# Altium PCB radxa_cm4_io_v1.10.PcbDoc (part 8 of 8)
Units mil, origin at the board's own origin, x right, y up, seen from the top; angles counter-clockwise.
Board outline 6299.62 x 3544.12 mil, 4 copper layers (Top, GND, Power, Bottom), stack 35.4 mil thick; 509 components, 417 nets, 1867 pads, 2150 vias.
Unrouted connection lines stored in the file: 1451.
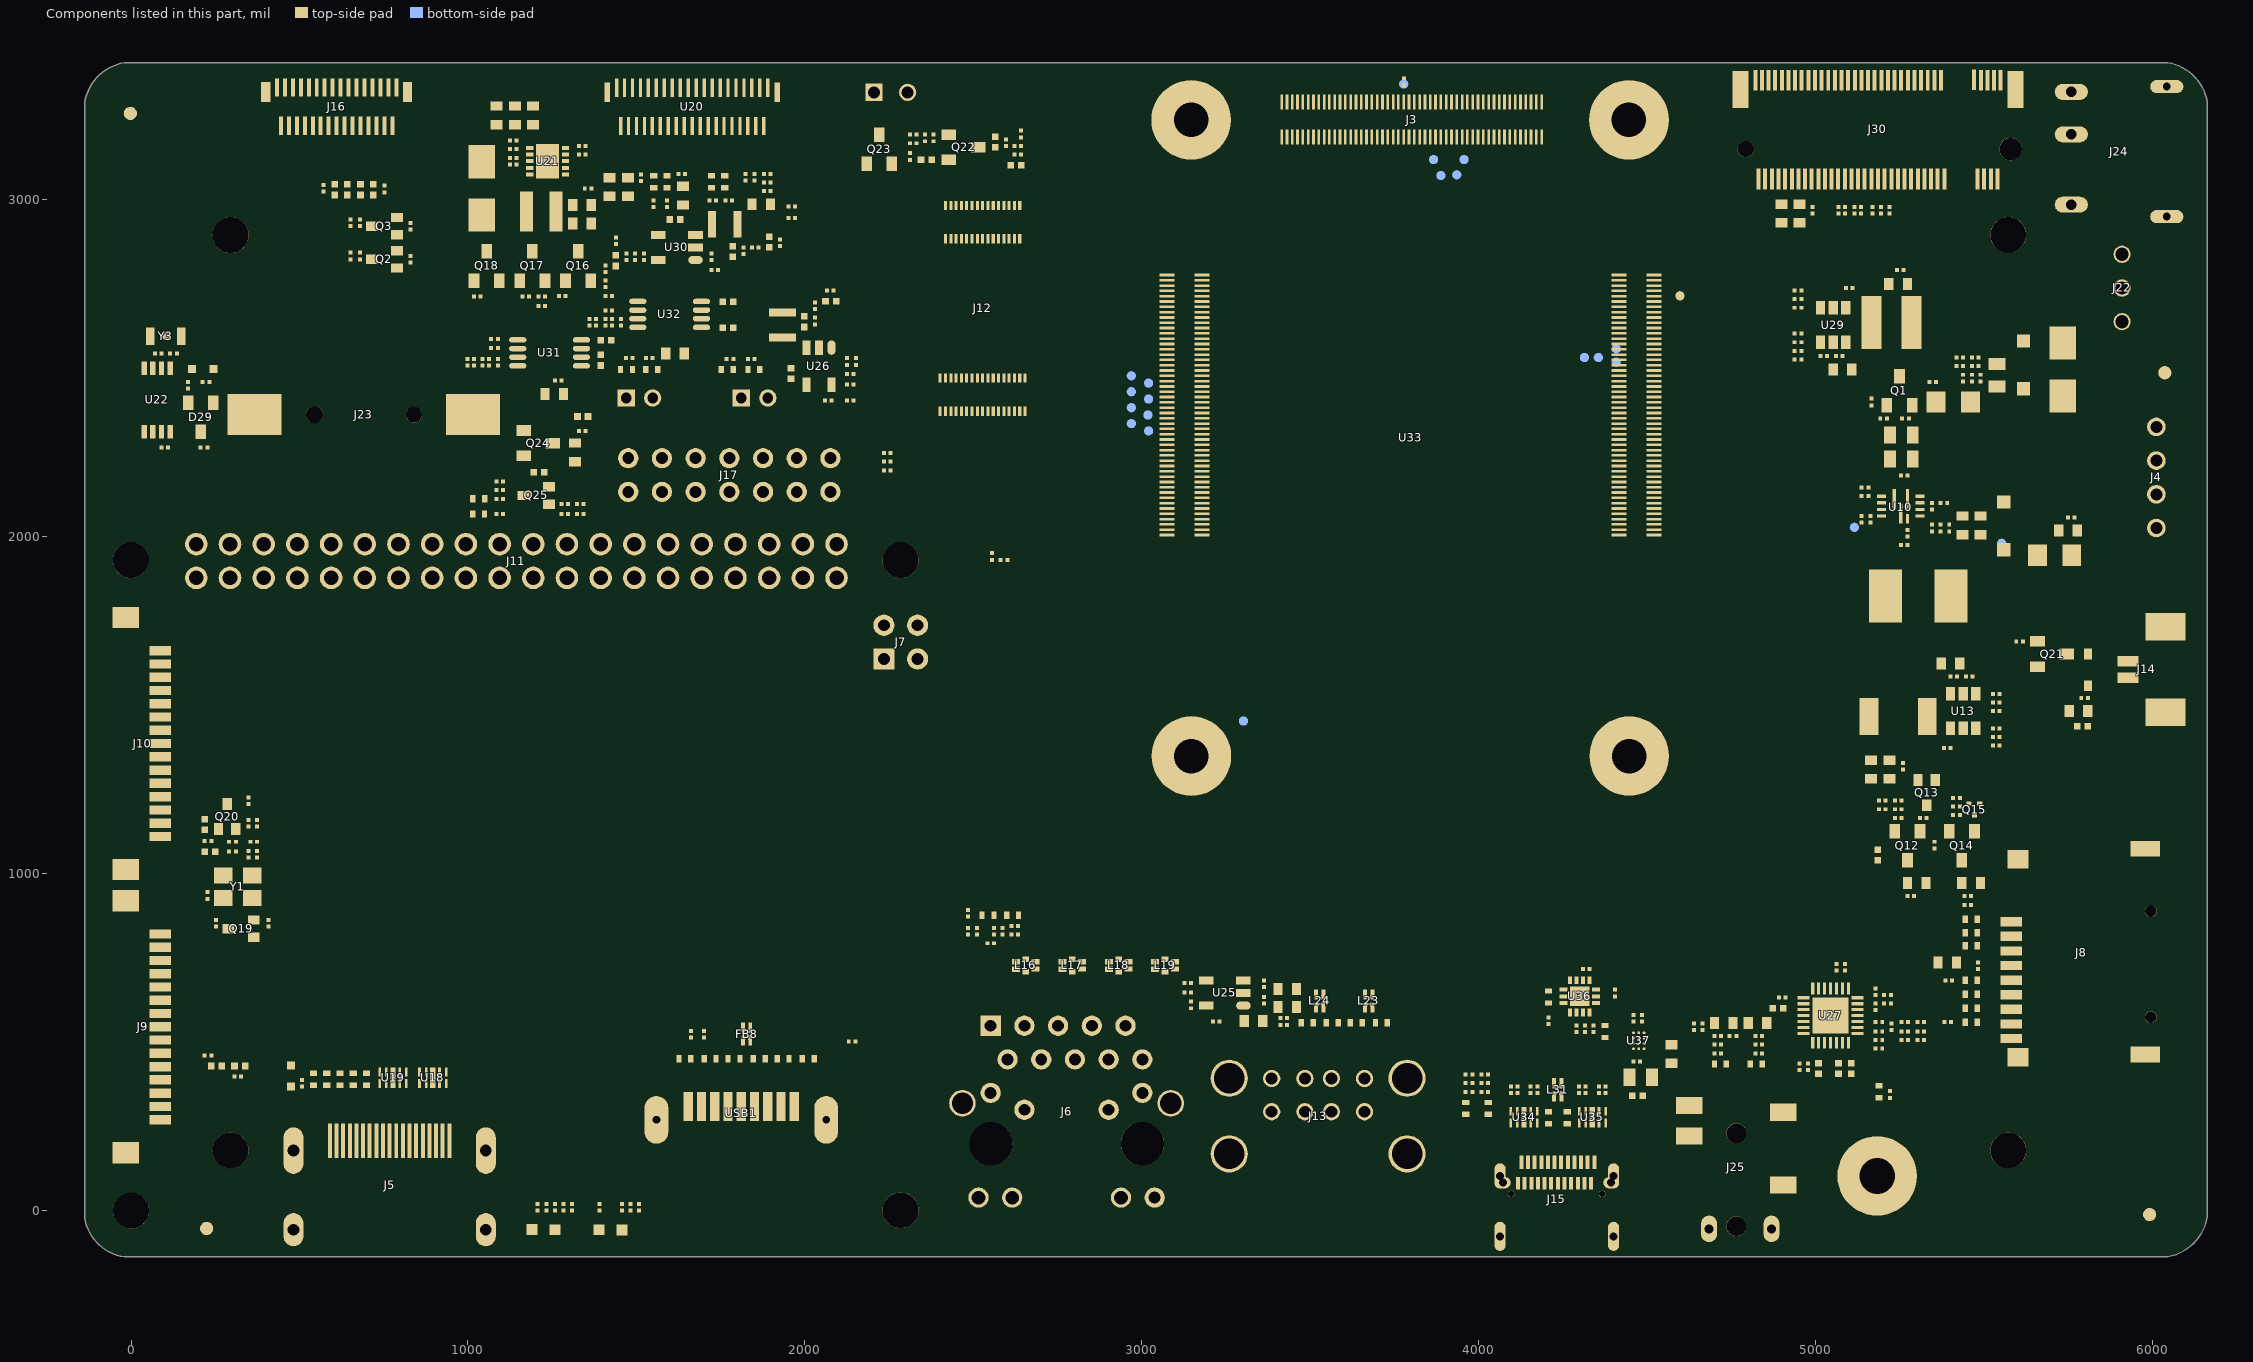
[diagram p10: the components of this part, seen from the top]

## Other copper
Top:
  region net VCC5V: 5732.28,1911.42 6039.37,1911.42 6039.37,2064.96 5761.81,2064.96 5761.81,2007.87 5732.28,1978.35 5732.28,1911.42
  region net +5V_INPUT: 4547.24,2685.04 4547.24,2600.39 4665.35,2600.39 4665.35,2685.04 4547.24,2685.04
  region net 5V_USB_HOST: 3417.32,586.61 3417.32,677.17 3379.92,677.17 3379.92,586.61 3417.32,586.61
  region net N37314100: 2039.37,2643.7 2039.37,2681.1 1889.76,2681.1 1889.76,2643.7 2039.37,2643.7
  region net VCC_UFS1V2_S0_P: 1848.43,2852.36 1848.43,2883.86 1816.93,2883.86 1816.93,2966.54 1775.59,2966.54 1775.59,2852.36 1848.43,2852.36
  region net +5V_INPUT: 1421.26,2948.82 1350.39,2948.82 1350.39,2909.45 1395.67,2909.45 1421.26,2935.04 1421.26,2948.82
  region net VCC12V: 6039.37,2354.33 5391.73,2354.33 5385.83,2360.24 5385.83,2431.1 5269.68,2431.1 5269.68,2269.69 6039.37,2269.69 6039.37,2354.33
  region net +5V_INPUT: 5685.04,1891.73 5685.04,2021.65 5338.58,2021.65 5338.58,1744.09 5456.69,1744.09 5456.69,1879.92 5468.5,1891.73 5685.04,1891.73
  region net N38162991: 5667.32,2712.6 5667.32,2525.59 5793.31,2525.59 5793.31,2712.6 5667.32,2712.6
  region net N19463943: 5074.8,2553.15 5194.88,2553.15 5196.85,2555.12 5196.85,2718.5 5127.95,2718.5 5127.95,2616.14 5114.17,2602.36 5074.8,2602.36 5074.8,2553.15
  region net +5V_INPUT: 1608.27,2950.79 1543.31,2950.79 1543.31,2883.86 1608.27,2883.86 1608.27,2950.79
  region net +5V_INPUT: 1124.02,2236.22 1124.02,2181.1 1204.72,2181.1 1204.72,2255.91 1143.7,2255.91 1124.02,2236.22
  region net VBUS_TYPEC0: 4413.39,411.42 4462.6,411.42 4462.6,466.54 4444.88,466.54 4444.88,515.75 4413.39,515.75 4413.39,411.42
  region net 5V_S0: 1230.32,2261.81 1334.65,2261.81 1334.65,2366.14 1230.32,2366.14 1230.32,2261.81
  region net N38162991: 5706.69,3372.05 5706.69,3273.62 5952.76,3273.62 5952.76,3372.05 5706.69,3372.05
  region net 5V_USB_HOST: 3417.32,562.99 3342.52,562.99 3342.52,263.78 3417.32,263.78 3417.32,562.99
  region net N19591855: 1001.97,2903.54 1192.91,2903.54 1192.91,3098.43 1169.29,3098.43 1131.89,3061.02 1131.89,3013.78 1124.02,3005.91 1001.97,3005.91 1001.97,2903.54
  region net 5V_USB_HOST: 3279.53,620.08 3279.53,588.58 3326.77,588.58 3342.52,572.83 3342.52,559.06 3417.32,559.06 3417.32,620.08 3279.53,620.08
  region net +5V_INPUT: 4312.99,570.87 4281.5,570.87 4263.78,553.15 4263.78,543.31 4320.87,543.31 4320.87,562.99 4312.99,570.87
  region net 5V_USB_HOST: 1679.13,352.36 1679.13,194.88 1706.69,194.88 1706.69,352.36 1679.13,352.36
  region net VBUS_TYPEC0: 4464.57,442.91 4413.39,442.91 4413.39,232.28 4464.57,232.28 4464.57,442.91
  region net N37314098: 1891.73,2602.36 1891.73,2578.74 1952.76,2578.74 1992.13,2539.37 2015.75,2539.37 2015.75,2582.68 1996.06,2602.36 1891.73,2602.36
  region net N38162882: 5413.39,1513.78 5413.39,1559.06 5322.83,1559.06 5301.18,1537.4 5301.18,1403.54 5364.17,1403.54 5364.17,1505.91 5372.05,1513.78 5413.39,1513.78
  region net +5V_INPUT: 1948.82,2480.32 1948.82,2419.29 2015.75,2419.29 2015.75,2480.32 1948.82,2480.32
  region net VCC3V3_SYS: 1080.71,1608.27 1080.71,1574.8 1120.08,1574.8 1120.08,1608.27 1080.71,1608.27
  region net +5V_INPUT: 4598.43,401.57 4645.67,401.57 4651.57,407.48 4651.57,515.75 4503.94,515.75 4503.94,476.38 4525.59,476.38 4535.43,466.54 4588.58,466.54 4598.43,456.69 4598.43,401.57
  region net N38163182: 5246.06,2098.43 5246.06,2059.06 5155.51,1968.5 5155.51,1744.09 5257.87,1744.09 5257.87,2098.43 5246.06,2098.43
  region net VCC12V: 5283.46,2082.68 5283.46,2127.95 5291.34,2135.83 5366.14,2135.83 5377.95,2147.64 5377.95,2350.39 5285.43,2350.39 5265.75,2330.71 5265.75,2082.68 5283.46,2082.68
  region net 3V3_PCIE: 5533.46,3108.27 5533.46,3015.75 5586.61,3015.75 5586.61,3108.27 5533.46,3108.27
  region net VCC3V3_SYS: 5362.2,1322.83 5362.2,1370.08 5196.85,1370.08 5187.01,1379.92 5187.01,1523.62 5122.05,1523.62 5122.05,1328.74 5127.95,1322.83 5362.2,1322.83
  region net 3V3_PCIE: 5037.4,3021.65 4820.87,3021.65 4820.87,2976.38 4824.8,2972.44 5037.4,2972.44 5037.4,3021.65
  region net VCC_UFS_S0: 2023.62,2688.98 2070.87,2688.98 2070.87,2736.22 2023.62,2736.22 2023.62,2688.98
  region net +5V_INPUT: 3137.8,606.3 3137.8,553.15 3216.54,553.15 3216.54,622.05 3179.13,622.05 3163.39,606.3 3137.8,606.3
  region net N37314178: 1651.57,2881.89 1734.25,2881.89 1738.19,2885.83 1738.19,2968.5 1700.79,2968.5 1700.79,2921.26 1688.98,2909.45 1651.57,2909.45 1651.57,2881.89
  region net +5V_INPUT: 4568.9,362.2 4476.38,362.2 4476.38,318.9 4568.9,318.9 4568.9,362.2
  region net VCC1V2_UFS_VCCQ_S0: 1856.3,2868.11 1856.3,2848.43 1952.76,2848.43 1952.76,2868.11 1856.3,2868.11
  region net LCD_3V3: 1194.88,2866.14 1194.88,2856.3 1185.04,2856.3 1185.04,2828.74 1228.35,2828.74 1246.06,2846.46 1246.06,2858.27 1238.19,2866.14 1194.88,2866.14
  region net 3V3_PCIE: 5253.94,2557.09 5326.77,2557.09 5326.77,2801.18 5253.94,2801.18 5253.94,2557.09
  region net VCC12V_DCIN: 5429.13,2466.54 5429.13,2368.11 5787.4,2368.11 5787.4,2466.54 5429.13,2466.54
  region net VCC3V3_SYS: 350.39,1649.61 350.39,1624.02 389.76,1624.02 389.76,1649.61 350.39,1649.61
  region net +5V_INPUT: 5037.4,2596.46 5037.4,2551.18 5027.56,2541.34 5027.56,2525.59 5021.65,2519.69 4978.35,2519.69 4978.35,2462.6 5064.96,2462.6 5064.96,2596.46 5037.4,2596.46
  region net N19591849: 1324.8,3029.53 1240.16,3029.53 1240.16,2903.54 1324.8,2903.54 1324.8,3029.53
  region net 5V_S0: 1216.54,2181.1 1285.43,2181.1 1285.43,2366.14 1216.54,2366.14 1216.54,2181.1
  region net N19591849: 1324.8,2996.06 1324.8,3003.94 1332.68,3011.81 1352.36,3011.81 1352.36,3076.77 1330.71,3098.43 1279.53,3098.43 1279.53,3088.58 1305.12,3088.58 1311.02,3082.68 1311.02,3057.09 1305.12,3051.18 1255.91,3051.18 1240.16,3035.43 1240.16,2996.06 1324.8,2996.06
  region net +5V_INPUT: 5450.79,1513.78 5450.79,1594.49 5458.66,1602.36 5545.28,1602.36 5545.28,1645.67 5413.39,1645.67 5413.39,1574.8 5423.23,1564.96 5423.23,1513.78 5450.79,1513.78
  region net VCC_LEDA2: 1409.45,3190.94 1458.66,3190.94 1458.66,3271.65 1448.82,3281.5 1448.82,3360.24 1435.04,3360.24 1435.04,3285.43 1409.45,3259.84 1409.45,3190.94
  region net VCC_LEDA2: 1001.97,3062.99 1080.71,3062.99 1080.71,3153.54 1106.3,3179.13 1106.3,3240.16 1070.87,3240.16 1001.97,3171.26 1001.97,3062.99
Power:
  region net TR1: 1562.99,1248.03 1562.99,1204.72 1598.43,1204.72 1598.43,1248.03 1562.99,1248.03
  region net TR0: 1673.23,1244.09 1643.7,1244.09 1643.7,1157.48 1673.23,1157.48 1673.23,1244.09
  region net TR0: 1647.64,1244.09 1620.08,1244.09 1620.08,1181.1 1647.64,1181.1 1647.64,1244.09
  region net N38162991: 5952.76,3279.53 5952.76,3354.33 5704.72,3354.33 5704.72,3279.53 5952.76,3279.53
  region net TR2: 1748.03,1226.38 1704.72,1226.38 1704.72,1171.26 1748.03,1171.26 1748.03,1226.38
  region net TR3: 1838.58,1208.66 1763.78,1208.66 1763.78,1179.13 1838.58,1104.33 1838.58,1208.66
Bottom:
  region net VCC_LEDK2: 1159.45,3212.6 1159.45,3188.98 1246.06,3188.98 1246.06,3212.6 1159.45,3212.6
  region net VCC_LEDA2: 1141.73,3242.13 1066.93,3242.13 1066.93,3165.35 1141.73,3165.35 1141.73,3242.13
  region net +5V_INPUT: 5673.23,2021.65 5437.01,2021.65 5437.01,1602.36 5673.23,1602.36 5673.23,2021.65
  region net LCD_3V3: 1250,2868.11 1220.47,2868.11 1206.69,2854.33 1206.69,2838.58 1214.57,2830.71 1226.38,2830.71 1245.08,2849.41 1245.08,2864.17 1250,2864.17 1250,2868.11
  region net VCC3V3_SYS: 5267.72,1322.83 5377.95,1322.83 5377.95,1360.24 5267.72,1360.24 5267.72,1322.83
  region net VCC_LEDA2: 1401.57,3261.81 1401.57,3206.69 1446.85,3206.69 1446.85,3261.81 1401.57,3261.81
  region net VCC_LEDK2: 1442.91,3161.42 1442.91,3137.8 1476.38,3137.8 1476.38,3161.42 1442.91,3161.42
  region net VCC5V: 5913.39,1984.25 5789.37,1984.25 5789.37,1913.39 5913.39,1913.39 5913.39,1984.25

## Silkscreen, mask and mechanical layers (free items; w line width, h text height)
Silkscreen Top:
  drawing of 39806 lines, arcs and shapes, not listed
  text "99" at 3399.6,3335.2 h19.68
  text "1" at 4180.6,3330.4 h19.68
  text "UFS BOOT" at 2159.45,3232.28 h23.62
  text "M KEY" at 4692.91,3157.48 h23.62 r90
  text "100" at 3374.9,3124.6 h19.68
  text "MIPI_LCD" at 1588.58,3120.08 h23.62
  text "Camero_3" at 511.81,3114.17 h23.62
  text "Connector_3" at 3653.54,3104.33 h23.62
  text "2" at 4177.4,3102.9 h19.68
  text "J12-1" at 2704,3053.5 h23.62
  text "DC_12V IN" at 5708.66,2899.61 h23.62
  text "Power_Key" at 5972.44,2791.34 h20
  text "99" at 4576.77,2773.62 h19.68 r90
  text "199" at 3238.19,2771.65 h19.68 r90
  text "200" at 3047.24,2769.69 h19.68 r90
  text "100" at 4374.02,2769.69 h19.68 r90
  text "UFS Module Only" at 2212.6,2545.28 h23.62 r90
  text "+" at 318.9,2500 h39.37
  text "12V" at 5803.15,2303.15 h23.62
  text "RECOVERY" at 1395.67,2297.24 h23.62
  text "Maskrom" at 1990.16,2291.34 h23.62
  text "Connector_1" at 4352.36,2257.87 h23.62 r90
  text "Connector_2" at 3285.43,2236.22 h23.62 r90
  text "J12" at 2470.4,2232.7 h23.62
  text "-" at 1013.78,2226.38 h39.37
  text "GND" at 5795.28,2212.6 h23.62
  text "GND" at 1330.71,2118.11 h23.62
  text "GND" at 5799.21,2114.17 h23.62
  text "5V" at 179.13,2047.24 h23.62
  text "5V" at 275.59,2045.28 h23.62
  text "TX" at 470.47,2045.28 h23.62
  text "RX" at 574.8,2045.28 h23.62
  text "GND" at 362.2,2043.31 h23.62
  text "5V" at 5812.99,2015.75 h23.62
  text "1" at 4576.77,2000 h19.68 r90
  text "2" at 4377.95,1996.06 h19.68 r90
  text "101" at 3236.22,1970.47 h19.68 r90
  text "102" at 3047.24,1962.6 h19.68 r90
  text "12V / 5V OUT" at 5844.49,1891.73 h23.62
  text "3.3V" at 157.48,1738.19 h23.62 r90
  text "GND" at 5812.99,1688.98 h23.62
  text "5V" at 5832.68,1525.59 h23.62
  text "POE" at 2253.94,1511.81 h23.62
  text "Camero_1" at 196.85,1344.49 h23.62 r90
  text "FAN" at 5970.47,1328.74 h23.62
  text "CM4 IO  V1.10" at 1208.66,753.94 h39.37
  text "Ethernet" at 2366.14,641.73 h23.62
  text "Camero_2" at 208.66,488.19 h23.62 r90
  text "USB 2.0" at 3789.37,482.28 h23.62
  text "USB 3.0" at 1407.48,411.42 h23.62
  text "TF" at 5828.74,385.83 h23.62
  text "HP Jack" at 4972.44,324.8 h23.62
  text "HDMI" at 1027.56,307.09 h23.62
  text "TYPEC" at 3891.73,200.79 h23.62
Assembly Drawing Top:
  drawing of 6139 lines, arcs and shapes, not listed